# KiCad board rp2350-decoder.kicad_pcb
date: 2025-09-02; rev: v0.3.3
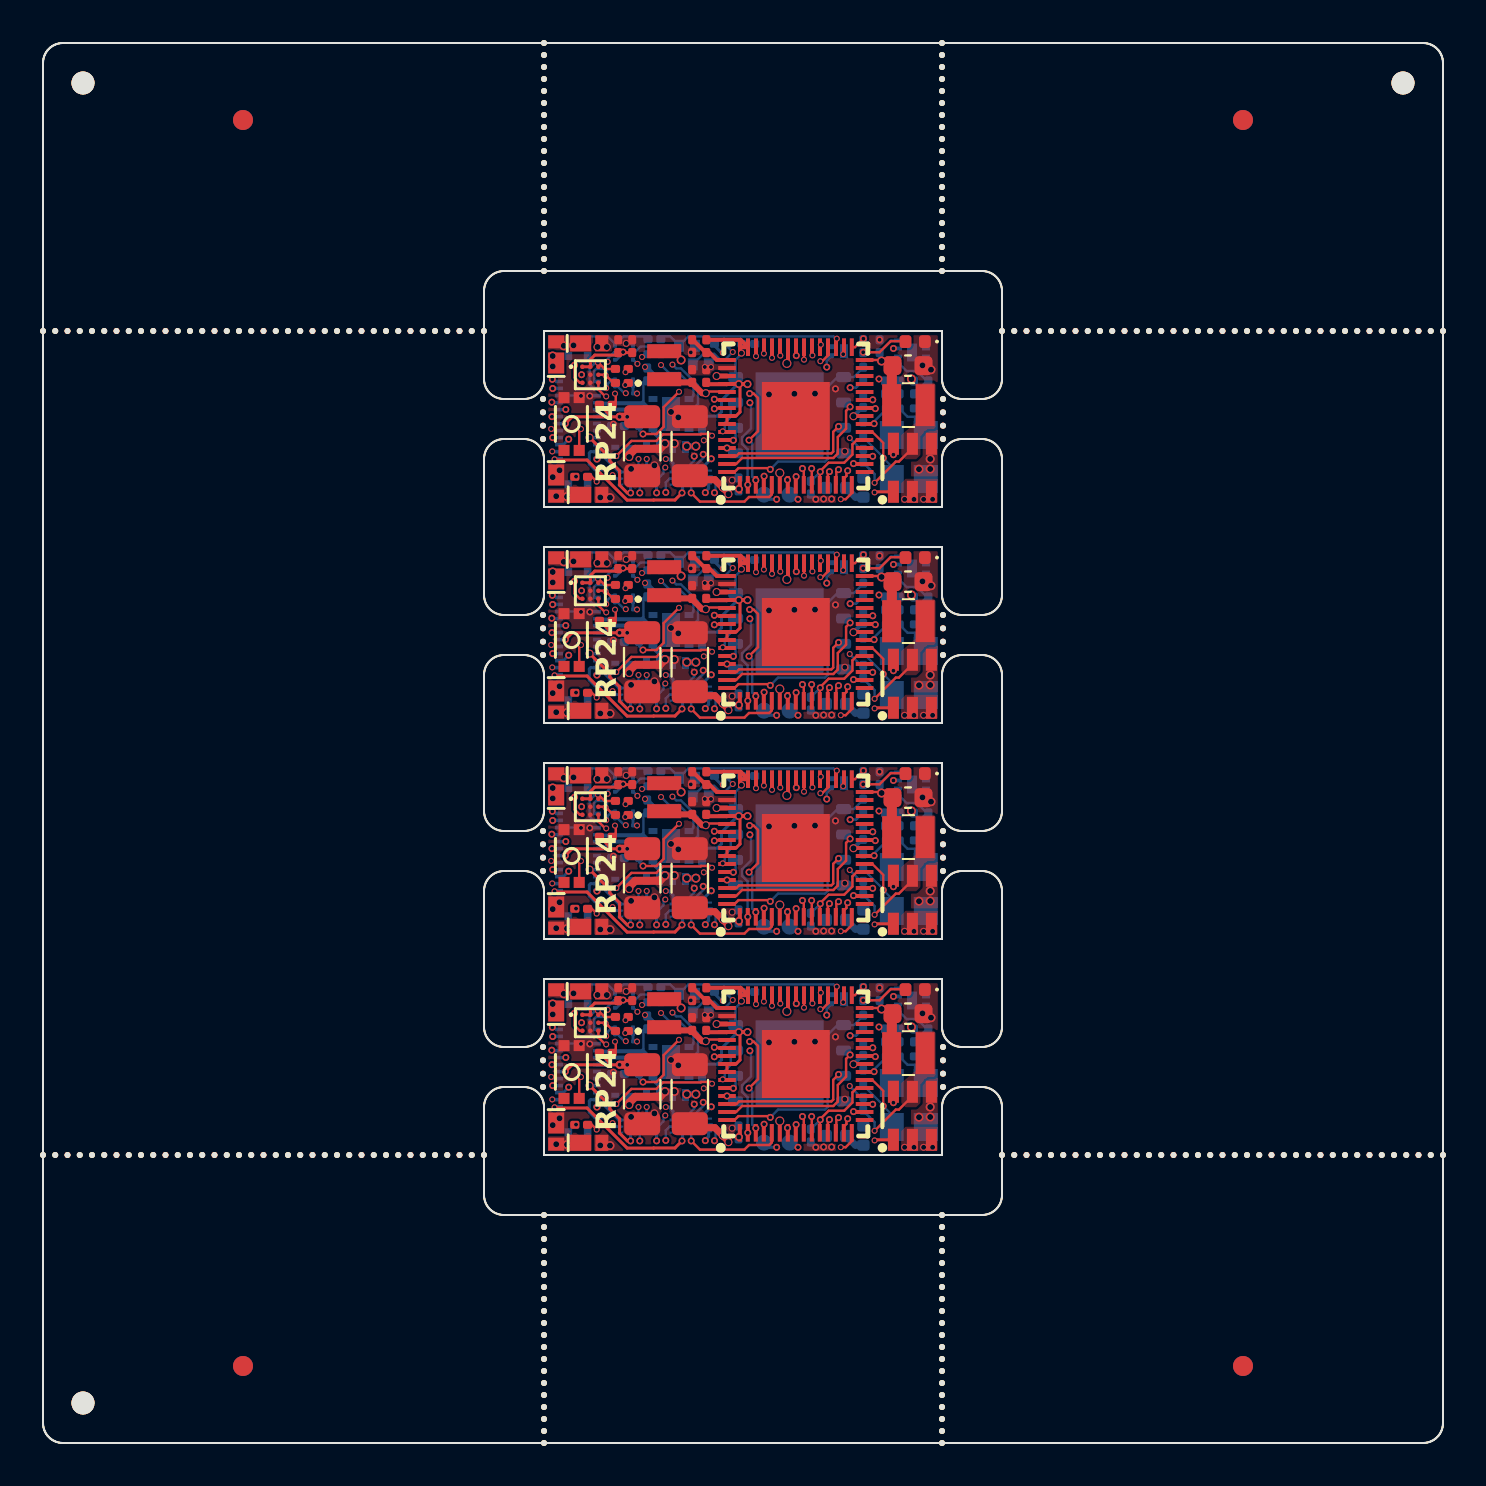
[diagram p0: board, top side]
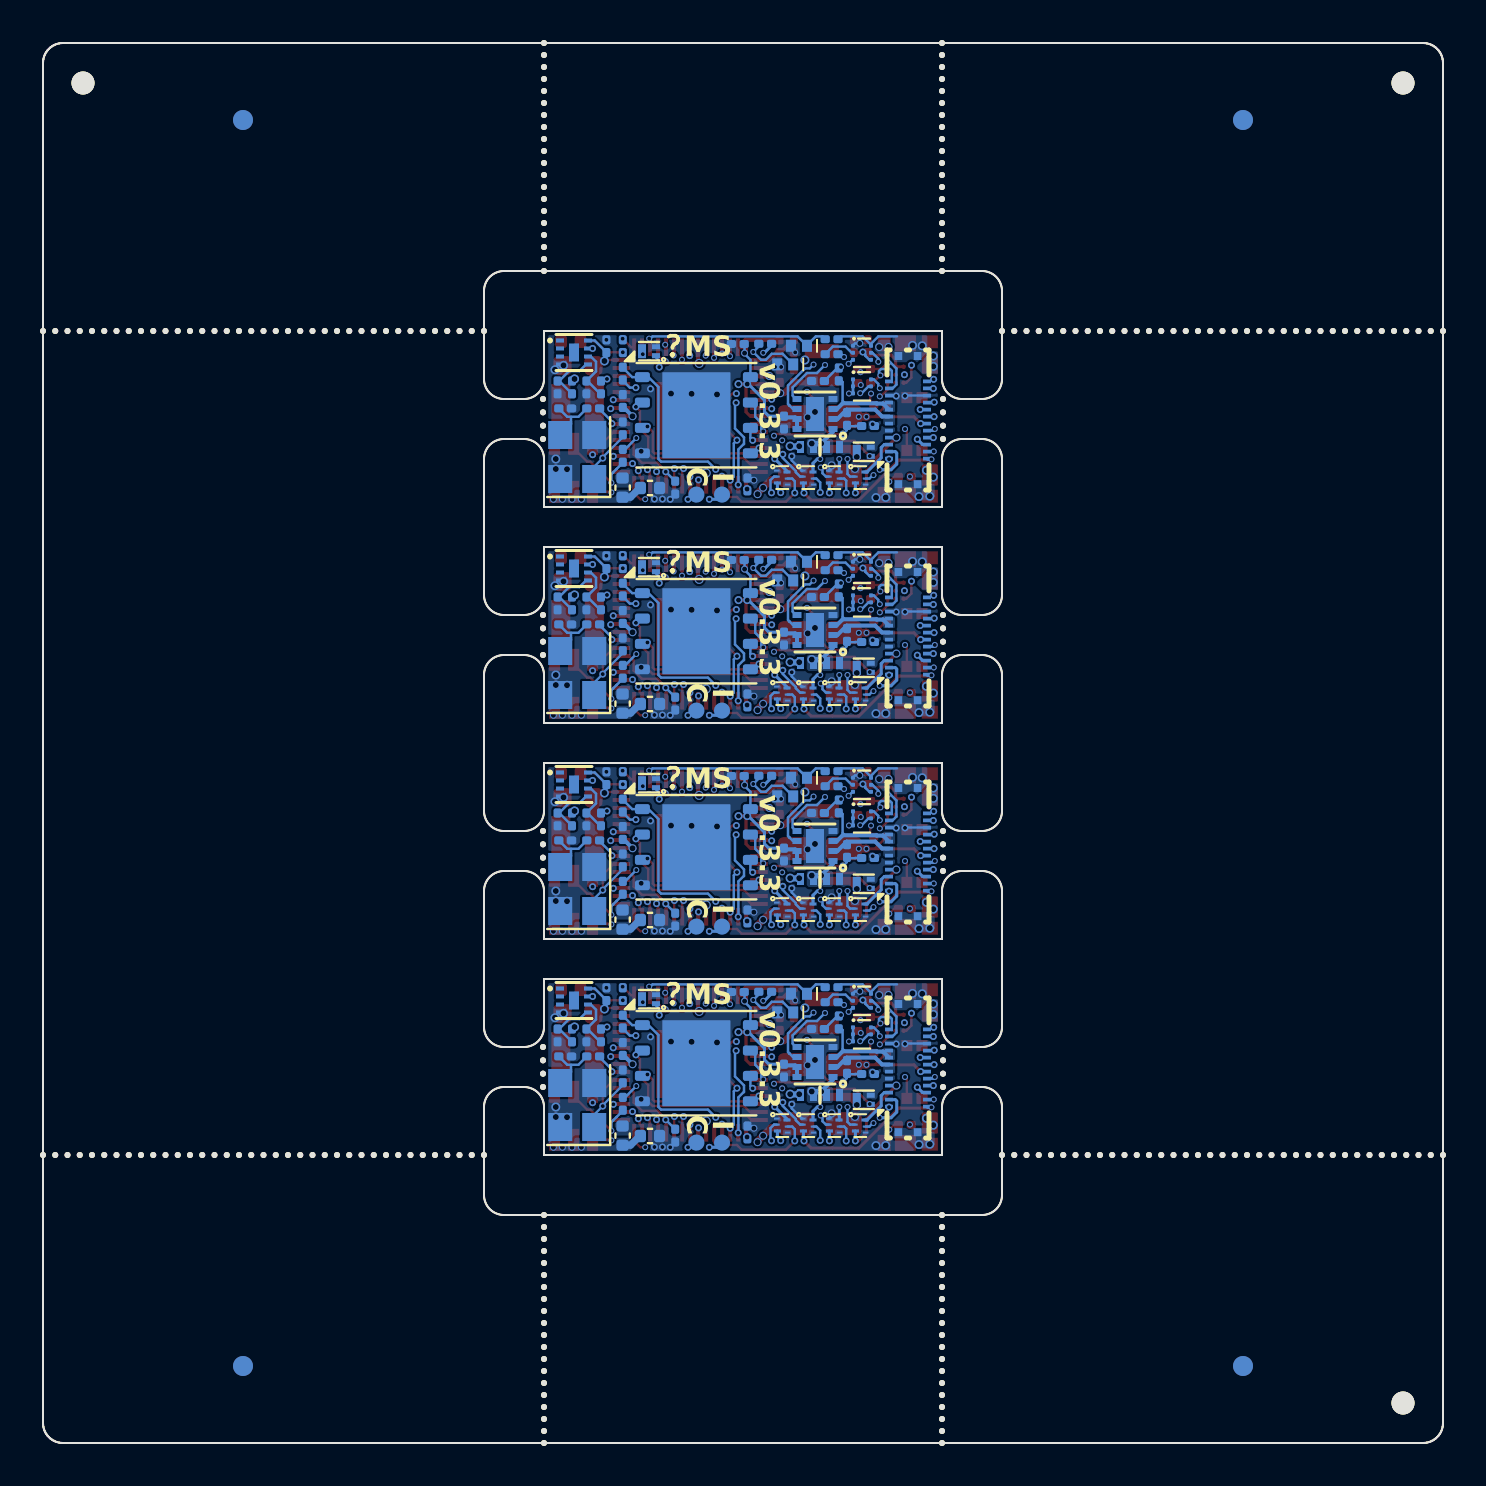
[diagram p1: board, bottom side, seen from below]

Outline 70 x 70 mm; copper layers: Top, In1.Cu, In2.Cu, In3.Cu, In4.Cu, Bottom. Coordinates in mm from the lower left corner of the outline.
Outline path: 25.05,46.8 25.05,46.81 25.05,49.2 25.05,49.25 25.05,49.3 25.04,49.35 25.03,49.4 25.02,49.44 25.01,49.49 24.99,49.54 24.97,49.58 24.95,49.63 24.93,49.67 24.91,49.71 24.88,49.76 24.85,49.8 24.82,49.83 24.79,49.87 24.76,49.91 24.72,49.94 24.68,49.97 24.65,50 24.61,50.03 24.56,50.06 24.52,50.08 24.48,50.1 24.43,50.12 24.39,50.14 24.34,50.16 24.29,50.17 24.25,50.18 24.2,50.19 24.15,50.2 24.1,50.2 24.05,50.2 23.05,50.2 23,50.2 22.95,50.2 22.9,50.19 22.85,50.18 22.81,50.17 22.76,50.16 22.71,50.14 22.67,50.12 22.62,50.1 22.58,50.08 22.54,50.06 22.49,50.03 22.45,50 22.42,49.97 22.38,49.94 22.34,49.91 22.31,49.87 22.28,49.83 22.25,49.8 22.22,49.76 22.19,49.71 22.17,49.67 22.15,49.63 22.13,49.58 22.11,49.54 22.09,49.49 22.08,49.44 22.07,49.4 22.06,49.35 22.05,49.3 22.05,49.25 22.05,49.2 22.05,42.4 22.05,42.35 22.05,42.3 22.06,42.25 22.07,42.2 22.08,42.16 22.09,42.11 22.11,42.06 22.13,42.02 22.15,41.97 22.17,41.93 22.19,41.89 22.22,41.84 22.25,41.8 22.28,41.77 22.31,41.73 22.34,41.69 22.38,41.66 22.42,41.63 22.45,41.6 22.49,41.57 22.54,41.54 22.58,41.52 22.62,41.5 22.67,41.48 22.71,41.46 22.76,41.44 22.81,41.43 22.85,41.42 22.9,41.41 22.95,41.4 23,41.4 23.05,41.4 24.05,41.4 24.1,41.4 24.15,41.4 24.2,41.41 24.25,41.42 24.29,41.43 24.34,41.44 24.39,41.46 24.43,41.48 24.48,41.5 24.52,41.52 24.56,41.54 24.61,41.57 24.65,41.6 24.68,41.63 24.72,41.66 24.76,41.69 24.79,41.73 24.82,41.77 24.85,41.8 24.88,41.84 24.91,41.89 24.93,41.93 24.95,41.97 24.97,42.02 24.99,42.06 25.01,42.11 25.02,42.16 25.03,42.2 25.04,42.25 25.05,42.3 25.05,42.35 25.05,42.4 25.05,44.79 25.05,44.8 ; 25.05,36 25.05,36.01 25.05,38.4 25.05,38.45 25.05,38.5 25.04,38.55 25.03,38.6 25.02,38.64 25.01,38.69 24.99,38.74 24.97,38.78 24.95,38.83 24.93,38.87 24.91,38.91 24.88,38.96 24.85,39 24.82,39.03 24.79,39.07 24.76,39.11 24.72,39.14 24.68,39.17 24.65,39.2 24.61,39.23 24.56,39.26 24.52,39.28 24.48,39.3 24.43,39.32 24.39,39.34 24.34,39.36 24.29,39.37 24.25,39.38 24.2,39.39 24.15,39.4 24.1,39.4 24.05,39.4 23.05,39.4 23,39.4 22.95,39.4 22.9,39.39 22.85,39.38 22.81,39.37 22.76,39.36 22.71,39.34 22.67,39.32 22.62,39.3 22.58,39.28 22.54,39.26 22.49,39.23 22.45,39.2 22.42,39.17 22.38,39.14 22.34,39.11 22.31,39.07 22.28,39.03 22.25,39 22.22,38.96 22.19,38.91 22.17,38.87 22.15,38.83 22.13,38.78 22.11,38.74 22.09,38.69 22.08,38.64 22.07,38.6 22.06,38.55 22.05,38.5 22.05,38.45 22.05,38.4 22.05,31.6 22.05,31.55 22.05,31.5 22.06,31.45 22.07,31.4 22.08,31.36 22.09,31.31 22.11,31.26 22.13,31.22 22.15,31.17 22.17,31.13 22.19,31.09 22.22,31.04 22.25,31 22.28,30.97 22.31,30.93 22.34,30.89 22.38,30.86 22.42,30.83 22.45,30.8 22.49,30.77 22.54,30.74 22.58,30.72 22.62,30.7 22.67,30.68 22.71,30.66 22.76,30.64 22.81,30.63 22.85,30.62 22.9,30.61 22.95,30.6 23,30.6 23.05,30.6 24.05,30.6 24.1,30.6 24.15,30.6 24.2,30.61 24.25,30.62 24.29,30.63 24.34,30.64 24.39,30.66 24.43,30.68 24.48,30.7 24.52,30.72 24.56,30.74 24.61,30.77 24.65,30.8 24.68,30.83 24.72,30.86 24.76,30.89 24.79,30.93 24.82,30.97 24.85,31 24.88,31.04 24.91,31.09 24.93,31.13 24.95,31.17 24.97,31.22 24.99,31.26 25.01,31.31 25.02,31.36 25.03,31.4 25.04,31.45 25.05,31.5 25.05,31.55 25.05,31.6 25.05,33.99 25.05,34 ; 25.05,25.2 25.05,25.21 25.05,27.6 25.05,27.65 25.05,27.7 25.04,27.75 25.03,27.8 25.02,27.84 25.01,27.89 24.99,27.94 24.97,27.98 24.95,28.03 24.93,28.07 24.91,28.11 24.88,28.16 24.85,28.2 24.82,28.23 24.79,28.27 24.76,28.31 24.72,28.34 24.68,28.37 24.65,28.4 24.61,28.43 24.56,28.46 24.52,28.48 24.48,28.5 24.43,28.52 24.39,28.54 24.34,28.56 24.29,28.57 24.25,28.58 24.2,28.59 24.15,28.6 24.1,28.6 24.05,28.6 23.05,28.6 23,28.6 22.95,28.6 22.9,28.59 22.85,28.58 22.81,28.57 22.76,28.56 22.71,28.54 22.67,28.52 22.62,28.5 22.58,28.48 22.54,28.46 22.49,28.43 22.45,28.4 22.42,28.37 22.38,28.34 22.34,28.31 22.31,28.27 22.28,28.23 22.25,28.2 22.22,28.16 22.19,28.11 22.17,28.07 22.15,28.03 22.13,27.98 22.11,27.94 22.09,27.89 22.08,27.84 22.07,27.8 22.06,27.75 22.05,27.7 22.05,27.65 22.05,27.6 22.05,20.8 22.05,20.75 22.05,20.7 22.06,20.65 22.07,20.6 22.08,20.56 22.09,20.51 22.11,20.46 22.13,20.42 22.15,20.37 22.17,20.33 22.19,20.29 22.22,20.24 22.25,20.2 22.28,20.17 22.31,20.13 22.34,20.09 22.38,20.06 22.42,20.03 22.45,20 22.49,19.97 22.54,19.94 22.58,19.92 22.62,19.9 22.67,19.88 22.71,19.86 22.76,19.84 22.81,19.83 22.85,19.82 22.9,19.81 22.95,19.8 23,19.8 23.05,19.8 24.05,19.8 24.1,19.8 24.15,19.8 24.2,19.81 24.25,19.82 24.29,19.83 24.34,19.84 24.39,19.86 24.43,19.88 24.48,19.9 24.52,19.92 24.56,19.94 24.61,19.97 24.65,20 24.68,20.03 24.72,20.06 24.76,20.09 24.79,20.13 24.82,20.17 24.85,20.2 24.88,20.24 24.91,20.29 24.93,20.33 24.95,20.37 24.97,20.42 24.99,20.46 25.01,20.51 25.02,20.56 25.03,20.6 25.04,20.65 25.05,20.7 25.05,20.75 25.05,20.8 25.05,23.19 25.05,23.2 ; 25.05,14.4 25.05,14.41 25.05,16.8 25.05,16.85 25.05,16.9 25.04,16.95 25.03,17 25.02,17.04 25.01,17.09 24.99,17.14 24.97,17.18 24.95,17.23 24.93,17.27 24.91,17.31 24.88,17.36 24.85,17.4 24.82,17.43 24.79,17.47 24.76,17.51 24.72,17.54 24.68,17.57 24.65,17.6 24.61,17.63 24.56,17.66 24.52,17.68 24.48,17.7 24.43,17.72 24.39,17.74 24.34,17.76 24.29,17.77 24.25,17.78 24.2,17.79 24.15,17.8 24.1,17.8 24.05,17.8 23.05,17.8 23,17.8 22.95,17.8 22.9,17.79 22.85,17.78 22.81,17.77 22.76,17.76 22.71,17.74 22.67,17.72 22.62,17.7 22.58,17.68 22.54,17.66 22.49,17.63 22.45,17.6 22.42,17.57 22.38,17.54 22.34,17.51 22.31,17.47 22.28,17.43 22.25,17.4 22.22,17.36 22.19,17.31 22.17,17.27 22.15,17.23 22.13,17.18 22.11,17.14 22.09,17.09 22.08,17.04 22.07,17 22.06,16.95 22.05,16.9 22.05,16.85 22.05,16.8 22.05,12.4 22.05,12.35 22.05,12.3 22.06,12.25 22.07,12.2 22.08,12.16 22.09,12.11 22.11,12.06 22.13,12.02 22.15,11.97 22.17,11.93 22.19,11.89 22.22,11.84 22.25,11.8 22.28,11.77 22.31,11.73 22.34,11.69 22.38,11.66 22.42,11.63 22.45,11.6 22.49,11.57 22.54,11.54 22.58,11.52 22.62,11.5 22.67,11.48 22.71,11.46 22.76,11.44 22.81,11.43 22.85,11.42 22.9,11.41 22.95,11.4 23,11.4 23.05,11.4 46.95,11.4 47,11.4 47.05,11.4 47.1,11.41 47.15,11.42 47.19,11.43 47.24,11.44 47.29,11.46 47.33,11.48 47.38,11.5 47.42,11.52 47.46,11.54 47.51,11.57 47.55,11.6 47.58,11.63 47.62,11.66 47.66,11.69 47.69,11.73 47.72,11.77 47.75,11.8 47.78,11.84 47.81,11.89 47.83,11.93 47.85,11.97 47.87,12.02 47.89,12.06 47.91,12.11 47.92,12.16 47.93,12.2 47.94,12.25 47.95,12.3 47.95,12.35 47.95,12.4 47.95,16.8 47.95,16.85 47.95,16.9 47.94,16.95 47.93,17 47.92,17.04 47.91,17.09 47.89,17.14 47.87,17.18 47.85,17.23 47.83,17.27 47.81,17.31 47.78,17.36 47.75,17.4 47.72,17.43 47.69,17.47 47.66,17.51 47.62,17.54 47.58,17.57 47.55,17.6 47.51,17.63 47.46,17.66 47.42,17.68 47.38,17.7 47.33,17.72 47.29,17.74 47.24,17.76 47.19,17.77 47.15,17.78 47.1,17.79 47.05,17.8 47,17.8 46.95,17.8 45.95,17.8 45.9,17.8 45.85,17.8 45.8,17.79 45.75,17.78 45.71,17.77 45.66,17.76 45.61,17.74 45.57,17.72 45.52,17.7 45.48,17.68 45.44,17.66 45.39,17.63 45.35,17.6 45.32,17.57 45.28,17.54 45.24,17.51 45.21,17.47 45.18,17.43 45.15,17.4 45.12,17.36 45.09,17.31 45.07,17.27 45.05,17.23 45.03,17.18 45.01,17.14 44.99,17.09 44.98,17.04 44.97,17 44.96,16.95 44.95,16.9 44.95,16.85 44.95,16.8 44.95,14.41 44.95,14.4 ; 25.05,55.6 25.05,55.59 25.05,53.2 25.05,53.15 25.05,53.1 25.04,53.05 25.03,53 25.02,52.96 25.01,52.91 24.99,52.86 24.97,52.82 24.95,52.77 24.93,52.73 24.91,52.69 24.88,52.64 24.85,52.6 24.82,52.57 24.79,52.53 24.76,52.49 24.72,52.46 24.68,52.43 24.65,52.4 24.61,52.37 24.56,52.34 24.52,52.32 24.48,52.3 24.43,52.28 24.39,52.26 24.34,52.24 24.29,52.23 24.25,52.22 24.2,52.21 24.15,52.2 24.1,52.2 24.05,52.2 23.05,52.2 23,52.2 22.95,52.2 22.9,52.21 22.85,52.22 22.81,52.23 22.76,52.24 22.71,52.26 22.67,52.28 22.62,52.3 22.58,52.32 22.54,52.34 22.49,52.37 22.45,52.4 22.42,52.43 22.38,52.46 22.34,52.49 22.31,52.53 22.28,52.57 22.25,52.6 22.22,52.64 22.19,52.69 22.17,52.73 22.15,52.77 22.13,52.82 22.11,52.86 22.09,52.91 22.08,52.96 22.07,53 22.06,53.05 22.05,53.1 22.05,53.15 22.05,53.2 22.05,57.6 22.05,57.65 22.05,57.7 22.06,57.75 22.07,57.8 22.08,57.84 22.09,57.89 22.11,57.94 22.13,57.98 22.15,58.03 22.17,58.07 22.19,58.11 22.22,58.16 22.25,58.2 22.28,58.23 22.31,58.27 22.34,58.31 22.38,58.34 22.42,58.37 22.45,58.4 22.49,58.43 22.54,58.46 22.58,58.48 22.62,58.5 22.67,58.52 22.71,58.54 22.76,58.56 22.81,58.57 22.85,58.58 22.9,58.59 22.95,58.6 23,58.6 23.05,58.6 46.95,58.6 47,58.6 47.05,58.6 47.1,58.59 47.15,58.58 47.19,58.57 47.24,58.56 47.29,58.54 47.33,58.52 47.38,58.5 47.42,58.48 47.46,58.46 47.51,58.43 47.55,58.4 47.58,58.37 47.62,58.34 47.66,58.31 47.69,58.27 47.72,58.23 47.75,58.2 47.78,58.16 47.81,58.11 47.83,58.07 47.85,58.03 47.87,57.98 47.89,57.94 47.91,57.89 47.92,57.84 47.93,57.8 47.94,57.75 47.95,57.7 47.95,57.65 47.95,57.6 47.95,53.2 47.95,53.15 47.95,53.1 47.94,53.05 47.93,53 47.92,52.96 47.91,52.91 47.89,52.86 47.87,52.82 47.85,52.77 47.83,52.73 47.81,52.69 47.78,52.64 47.75,52.6 47.72,52.57 47.69,52.53 47.66,52.49 47.62,52.46 47.58,52.43 47.55,52.4 47.51,52.37 47.46,52.34 47.42,52.32 47.38,52.3 47.33,52.28 47.29,52.26 47.24,52.24 47.19,52.23 47.15,52.22 47.1,52.21 47.05,52.2 47,52.2 46.95,52.2 45.95,52.2 45.9,52.2 45.85,52.2 45.8,52.21 45.75,52.22 45.71,52.23 45.66,52.24 45.61,52.26 45.57,52.28 45.52,52.3 45.48,52.32 45.44,52.34 45.39,52.37 45.35,52.4 45.32,52.43 45.28,52.46 45.24,52.49 45.21,52.53 45.18,52.57 45.15,52.6 45.12,52.64 45.09,52.69 45.07,52.73 45.05,52.77 45.03,52.82 45.01,52.86 44.99,52.91 44.98,52.96 44.97,53 44.96,53.05 44.95,53.1 44.95,53.15 44.95,53.2 44.95,55.59 44.95,55.6 ; 25.05,46.8 25.06,46.8 44.94,46.8 44.95,46.8 ; 25.05,36 25.06,36 44.94,36 44.95,36 ; 25.05,25.2 25.06,25.2 44.94,25.2 44.95,25.2 ; 25.05,14.4 25.06,14.4 44.94,14.4 44.95,14.4 ; 25.05,55.6 25.06,55.6 44.94,55.6 44.95,55.6 ; 25.05,44.8 25.06,44.8 44.94,44.8 44.95,44.8 ; 25.05,34 25.06,34 44.94,34 44.95,34 ; 25.05,23.2 25.06,23.2 44.94,23.2 44.95,23.2 ; 44.95,46.8 44.95,46.81 44.95,49.2 44.95,49.25 44.95,49.3 44.96,49.35 44.97,49.4 44.98,49.44 44.99,49.49 45.01,49.54 45.03,49.58 45.05,49.63 45.07,49.67 45.09,49.71 45.12,49.76 45.15,49.8 45.18,49.83 45.21,49.87 45.24,49.91 45.28,49.94 45.32,49.97 45.35,50 45.39,50.03 45.44,50.06 45.48,50.08 45.52,50.1 45.57,50.12 45.61,50.14 45.66,50.16 45.71,50.17 45.75,50.18 45.8,50.19 45.85,50.2 45.9,50.2 45.95,50.2 46.95,50.2 47,50.2 47.05,50.2 47.1,50.19 47.15,50.18 47.19,50.17 47.24,50.16 47.29,50.14 47.33,50.12 47.38,50.1 47.42,50.08 47.46,50.06 47.51,50.03 47.55,50 47.58,49.97 47.62,49.94 47.66,49.91 47.69,49.87 47.72,49.83 47.75,49.8 47.78,49.76 47.81,49.71 47.83,49.67 47.85,49.63 47.87,49.58 47.89,49.54 47.91,49.49 47.92,49.44 47.93,49.4 47.94,49.35 47.95,49.3 47.95,49.25 47.95,49.2 47.95,42.4 47.95,42.35 47.95,42.3 47.94,42.25 47.93,42.2 47.92,42.16 47.91,42.11 47.89,42.06 47.87,42.02 47.85,41.97 47.83,41.93 47.81,41.89 47.78,41.84 47.75,41.8 47.72,41.77 47.69,41.73 47.66,41.69 47.62,41.66 47.58,41.63 47.55,41.6 47.51,41.57 47.46,41.54 47.42,41.52 47.38,41.5 47.33,41.48 47.29,41.46 47.24,41.44 47.19,41.43 47.15,41.42 47.1,41.41 47.05,41.4 47,41.4 46.95,41.4 45.95,41.4 45.9,41.4 45.85,41.4 45.8,41.41 45.75,41.42 45.71,41.43 45.66,41.44 45.61,41.46 45.57,41.48 45.52,41.5 45.48,41.52 45.44,41.54 45.39,41.57 45.35,41.6 45.32,41.63 45.28,41.66 45.24,41.69 45.21,41.73 45.18,41.77 45.15,41.8 45.12,41.84 45.09,41.89 45.07,41.93 45.05,41.97 45.03,42.02 45.01,42.06 44.99,42.11 44.98,42.16 44.97,42.2 44.96,42.25 44.95,42.3 44.95,42.35 44.95,42.4 44.95,44.79 44.95,44.8 ; 44.95,36 44.95,36.01 44.95,38.4 44.95,38.45 44.95,38.5 44.96,38.55 44.97,38.6 44.98,38.64 44.99,38.69 45.01,38.74 45.03,38.78 45.05,38.83 45.07,38.87 45.09,38.91 45.12,38.96 45.15,39 45.18,39.03 45.21,39.07 45.24,39.11 45.28,39.14 45.32,39.17 45.35,39.2 45.39,39.23 45.44,39.26 45.48,39.28 45.52,39.3 45.57,39.32 45.61,39.34 45.66,39.36 45.71,39.37 45.75,39.38 45.8,39.39 45.85,39.4 45.9,39.4 45.95,39.4 46.95,39.4 47,39.4 47.05,39.4 47.1,39.39 47.15,39.38 47.19,39.37 47.24,39.36 47.29,39.34 47.33,39.32 47.38,39.3 47.42,39.28 47.46,39.26 47.51,39.23 47.55,39.2 47.58,39.17 47.62,39.14 47.66,39.11 47.69,39.07 47.72,39.03 47.75,39 47.78,38.96 47.81,38.91 47.83,38.87 47.85,38.83 47.87,38.78 47.89,38.74 47.91,38.69 47.92,38.64 47.93,38.6 47.94,38.55 47.95,38.5 47.95,38.45 47.95,38.4 47.95,31.6 47.95,31.55 47.95,31.5 47.94,31.45 47.93,31.4 47.92,31.36 47.91,31.31 47.89,31.26 47.87,31.22 47.85,31.17 47.83,31.13 47.81,31.09 47.78,31.04 47.75,31 47.72,30.97 47.69,30.93 47.66,30.89 47.62,30.86 47.58,30.83 47.55,30.8 47.51,30.77 47.46,30.74 47.42,30.72 47.38,30.7 47.33,30.68 47.29,30.66 47.24,30.64 47.19,30.63 47.15,30.62 47.1,30.61 47.05,30.6 47,30.6 46.95,30.6 45.95,30.6 45.9,30.6 45.85,30.6 45.8,30.61 45.75,30.62 45.71,30.63 45.66,30.64 45.61,30.66 45.57,30.68 45.52,30.7 45.48,30.72 45.44,30.74 45.39,30.77 45.35,30.8 45.32,30.83 45.28,30.86 45.24,30.89 45.21,30.93 45.18,30.97 45.15,31 45.12,31.04 45.09,31.09 45.07,31.13 45.05,31.17 45.03,31.22 45.01,31.26 44.99,31.31 44.98,31.36 44.97,31.4 44.96,31.45 44.95,31.5 44.95,31.55 44.95,31.6 44.95,33.99 44.95,34 ; 44.95,25.2 44.95,25.21 44.95,27.6 44.95,27.65 44.95,27.7 44.96,27.75 44.97,27.8 44.98,27.84 44.99,27.89 45.01,27.94 45.03,27.98 45.05,28.03 45.07,28.07 45.09,28.11 45.12,28.16 45.15,28.2 45.18,28.23 45.21,28.27 45.24,28.31 45.28,28.34 45.32,28.37 45.35,28.4 45.39,28.43 45.44,28.46 45.48,28.48 45.52,28.5 45.57,28.52 45.61,28.54 45.66,28.56 45.71,28.57 45.75,28.58 45.8,28.59 45.85,28.6 45.9,28.6 45.95,28.6 46.95,28.6 47,28.6 47.05,28.6 47.1,28.59 47.15,28.58 47.19,28.57 47.24,28.56 47.29,28.54 47.33,28.52 47.38,28.5 47.42,28.48 47.46,28.46 47.51,28.43 47.55,28.4 47.58,28.37 47.62,28.34 47.66,28.31 47.69,28.27 47.72,28.23 47.75,28.2 47.78,28.16 47.81,28.11 47.83,28.07 47.85,28.03 47.87,27.98 47.89,27.94 47.91,27.89 47.92,27.84 47.93,27.8 47.94,27.75 47.95,27.7 47.95,27.65 47.95,27.6 47.95,20.8 47.95,20.75 47.95,20.7 47.94,20.65 47.93,20.6 47.92,20.56 47.91,20.51 47.89,20.46 47.87,20.42 47.85,20.37 47.83,20.33 47.81,20.29 47.78,20.24 47.75,20.2 47.72,20.17 47.69,20.13 47.66,20.09 47.62,20.06 47.58,20.03 47.55,20 47.51,19.97 47.46,19.94 47.42,19.92 47.38,19.9 47.33,19.88 47.29,19.86 47.24,19.84 47.19,19.83 47.15,19.82 47.1,19.81 47.05,19.8 47,19.8 46.95,19.8 45.95,19.8 45.9,19.8 45.85,19.8 45.8,19.81 45.75,19.82 45.71,19.83 45.66,19.84 45.61,19.86 45.57,19.88 45.52,19.9 45.48,19.92 45.44,19.94 45.39,19.97 45.35,20 45.32,20.03 45.28,20.06 45.24,20.09 45.21,20.13 45.18,20.17 45.15,20.2 45.12,20.24 45.09,20.29 45.07,20.33 45.05,20.37 45.03,20.42 45.01,20.46 44.99,20.51 44.98,20.56 44.97,20.6 44.96,20.65 44.95,20.7 44.95,20.75 44.95,20.8 44.95,23.19 44.95,23.2 ; 0,68.99 0,1.01 0,0.99 0,0.91 0.01,0.89 0.02,0.82 0.02,0.79 0.04,0.72 0.05,0.7 0.07,0.63 0.08,0.61 0.11,0.54 0.12,0.52 0.16,0.45 0.18,0.43 0.22,0.38 0.24,0.36 0.28,0.3 0.3,0.28 0.36,0.24 0.38,0.22 0.43,0.18 0.45,0.16 0.52,0.12 0.54,0.11 0.61,0.08 0.63,0.07 0.7,0.05 0.72,0.04 0.79,0.02 0.82,0.02 0.89,0.01 0.91,0 0.99,0 1.01,0 68.99,0 69.01,0 69.09,0 69.11,0.01 69.18,0.02 69.21,0.02 69.28,0.04 69.3,0.05 69.37,0.07 69.39,0.08 69.46,0.11 69.48,0.12 69.55,0.16 69.57,0.18 69.62,0.22 69.64,0.24 69.7,0.28 69.72,0.3 69.76,0.36 69.78,0.38 69.82,0.43 69.84,0.45 69.88,0.52 69.89,0.54 69.92,0.61 69.93,0.63 69.95,0.7 69.96,0.72 69.98,0.79 69.98,0.82 69.99,0.89 70,0.91 70,0.99 70,1.01 70,68.99 70,69.01 70,69.09 69.99,69.11 69.98,69.18 69.98,69.21 69.96,69.28 69.95,69.3 69.93,69.37 69.92,69.39 69.89,69.46 69.88,69.48 69.84,69.55 69.82,69.57 69.78,69.62 69.76,69.64 69.72,69.7 69.7,69.72 69.64,69.76 69.62,69.78 69.57,69.82 69.55,69.84 69.48,69.88 69.46,69.89 69.39,69.92 69.37,69.93 69.3,69.95 69.28,69.96 69.21,69.98 69.18,69.98 69.11,69.99 69.09,70 69.01,70 68.99,70 1.01,70 0.99,70 0.91,70 0.89,69.99 0.82,69.98 0.79,69.98 0.72,69.96 0.7,69.95 0.63,69.93 0.61,69.92 0.54,69.89 0.52,69.88 0.45,69.84 0.43,69.82 0.38,69.78 0.36,69.76 0.3,69.72 0.28,69.7 0.24,69.64 0.22,69.62 0.18,69.57 0.16,69.55 0.12,69.48 0.11,69.46 0.08,69.39 0.07,69.37 0.05,69.3 0.04,69.28 0.02,69.21 0.02,69.18 0.01,69.11 0,69.09 0,69.01 0,68.99
Stack: Top 0.035mm / dielectric 0.1164mm JLC FR4 1x2116 er 4.16 / In1.Cu 0.0152mm / dielectric 0.13mm JLC Core er 4.6 / In2.Cu 0.0152mm / dielectric 0.2028mm JLC FR4 1x7628 er 4.4 / In3.Cu 0.0152mm / dielectric 0.13mm JLC Core er 4.6 / In4.Cu 0.0152mm / dielectric 0.1164mm JLC FR4 1x2116 er 4.16 / Bottom 0.035mm

## Placement (name value [footprint] x y rotation side)
C1  100nF  [C_0201_0603Metric]  41.83 54.84 270 bottom
C1#2  100nF  [C_0201_0603Metric]  41.83 22.44 270 bottom
C1#3  100nF  [C_0201_0603Metric]  41.83 44.04 270 bottom
C1#4  100nF  [C_0201_0603Metric]  41.83 33.24 270 bottom
C2  2.2uF  [C_0402_1005Metric]  41.02 36.97 90 bottom
C2#2  2.2uF  [C_0402_1005Metric]  41.02 15.37 90 bottom
C2#3  2.2uF  [C_0402_1005Metric]  41.02 47.77 90 bottom
C2#4  2.2uF  [C_0402_1005Metric]  41.02 26.17 90 bottom
C3  2.2uF  [C_0402_1005Metric]  39.65 15.35 180 bottom
C3#2  2.2uF  [C_0402_1005Metric]  39.65 47.75 180 bottom
C3#3  2.2uF  [C_0402_1005Metric]  39.65 26.15 180 bottom
C3#4  2.2uF  [C_0402_1005Metric]  39.65 36.95 180 bottom
C4  100nF  [C_0201_0603Metric]  41.01 16.96 270 bottom
C4#2  100nF  [C_0201_0603Metric]  41.01 38.56 270 bottom
C4#3  100nF  [C_0201_0603Metric]  41.01 49.36 270 bottom
C4#4  100nF  [C_0201_0603Metric]  41.01 27.76 270 bottom
C5  22uF  [C_0603_1608Metric]  43.25 32.27 0 top
C5#2  22uF  [C_0603_1608Metric]  43.25 53.87 0 top
C5#3  22uF  [C_0603_1608Metric]  43.25 21.47 0 top
C5#4  22uF  [C_0603_1608Metric]  43.25 43.07 0 top
C6  100uF  [C_1206_3216Metric]  29.96 49.84 270 top
C6#2  100uF  [C_1206_3216Metric]  29.96 39.04 270 top
C6#3  100uF  [C_1206_3216Metric]  29.96 17.44 270 top
C6#4  100uF  [C_1206_3216Metric]  29.96 28.24 270 top
C7  100nF  [C_0201_0603Metric]  35.26 22.55 0 bottom
C7#2  100nF  [C_0201_0603Metric]  35.26 44.15 0 bottom
C7#3  100nF  [C_0201_0603Metric]  35.26 54.95 0 bottom
C7#4  100nF  [C_0201_0603Metric]  35.26 33.35 0 bottom
C8  10pF  [C_0201_0603Metric]  43.89 51.73 180 bottom
C8#2  10pF  [C_0201_0603Metric]  43.89 19.33 180 bottom
C8#3  10pF  [C_0201_0603Metric]  43.89 40.93 180 bottom
C8#4  10pF  [C_0201_0603Metric]  43.89 30.13 180 bottom
C9  4.7uF  [C_0201_0603Metric]  32.46 31.75 90 top
C9#2  4.7uF  [C_0201_0603Metric]  32.46 53.35 90 top
C9#3  4.7uF  [C_0201_0603Metric]  32.46 20.95 90 top
C9#4  4.7uF  [C_0201_0603Metric]  32.46 42.55 90 top
C10  4.7uF  [C_0201_0603Metric]  33.16 20.95 270 top
C10#2  4.7uF  [C_0201_0603Metric]  33.16 53.35 270 top
C10#3  4.7uF  [C_0201_0603Metric]  33.16 31.75 270 top
C10#4  4.7uF  [C_0201_0603Metric]  33.16 42.55 270 top
C11  10pF  [C_0201_0603Metric]  41.01 29.13 90 bottom
C11#2  10pF  [C_0201_0603Metric]  41.01 39.93 90 bottom
C11#3  10pF  [C_0201_0603Metric]  41.01 50.73 90 bottom
C11#4  10pF  [C_0201_0603Metric]  41.01 18.33 90 bottom
C12  100nF  [C_0201_0603Metric]  41.01 19.7 90 bottom
C12#2  100nF  [C_0201_0603Metric]  41.01 41.3 90 bottom
C12#3  100nF  [C_0201_0603Metric]  41.01 52.1 90 bottom
C12#4  100nF  [C_0201_0603Metric]  41.01 30.5 90 bottom
C13  100nF  [C_0201_0603Metric]  34.78 15.53 90 bottom
C13#2  100nF  [C_0201_0603Metric]  34.78 37.13 90 bottom
C13#3  100nF  [C_0201_0603Metric]  34.78 26.33 90 bottom
C13#4  100nF  [C_0201_0603Metric]  34.78 47.93 90 bottom
C14  100nF  [C_0201_0603Metric]  38.39 26.17 270 bottom
C14#2  100nF  [C_0201_0603Metric]  38.39 15.37 270 bottom
C14#3  100nF  [C_0201_0603Metric]  38.39 36.97 270 bottom
C14#4  100nF  [C_0201_0603Metric]  38.39 47.77 270 bottom
C15  4.7uF  [C_0201_0603Metric]  32.46 54.84 270 top
C15#2  4.7uF  [C_0201_0603Metric]  32.46 22.44 270 top
C15#3  4.7uF  [C_0201_0603Metric]  32.46 44.04 270 top
C15#4  4.7uF  [C_0201_0603Metric]  32.46 33.24 270 top
C16  47uF  [C_1206_3216Metric]  32.34 49.84 90 top
C16#2  47uF  [C_1206_3216Metric]  32.34 17.44 90 top
C16#3  47uF  [C_1206_3216Metric]  32.34 28.24 90 top
C16#4  47uF  [C_1206_3216Metric]  32.34 39.04 90 top
C17  4.7uF  [C_0201_0603Metric]  28.76 44.04 90 top
C17#2  4.7uF  [C_0201_0603Metric]  28.76 22.44 90 top
C17#3  4.7uF  [C_0201_0603Metric]  28.76 33.24 90 top
C17#4  4.7uF  [C_0201_0603Metric]  28.76 54.84 90 top
C18  4.7uF  [C_0201_0603Metric]  29.46 22.44 90 top
C18#2  4.7uF  [C_0201_0603Metric]  29.46 33.24 90 top
C18#3  4.7uF  [C_0201_0603Metric]  29.46 44.04 90 top
C18#4  4.7uF  [C_0201_0603Metric]  29.46 54.84 90 top
C19  100nF  [C_0201_0603Metric]  32.95 51.02 270 bottom
C19#2  100nF  [C_0201_0603Metric]  32.95 40.22 270 bottom
C19#3  100nF  [C_0201_0603Metric]  32.95 29.42 270 bottom
C19#4  100nF  [C_0201_0603Metric]  32.95 18.62 270 bottom
D1  LMBR4020H3T5G  [U-DFN1608-2_L1.6-W0.8-RD]  27.31 33.38 0 top
D1#2  LMBR4020H3T5G  [U-DFN1608-2_L1.6-W0.8-RD]  27.31 54.98 0 top
D1#3  LMBR4020H3T5G  [U-DFN1608-2_L1.6-W0.8-RD]  27.31 22.58 0 top
D1#4  LMBR4020H3T5G  [U-DFN1608-2_L1.6-W0.8-RD]  27.31 44.18 0 top
D2  LMBR4020H3T5G  [U-DFN1608-2_L1.6-W0.8-RD]  27.31 47.41 0 top
D2#2  LMBR4020H3T5G  [U-DFN1608-2_L1.6-W0.8-RD]  27.31 36.61 0 top
D2#3  LMBR4020H3T5G  [U-DFN1608-2_L1.6-W0.8-RD]  27.31 15.01 0 top
D2#4  LMBR4020H3T5G  [U-DFN1608-2_L1.6-W0.8-RD]  27.31 25.81 0 top
D3  LMBR4020H3T5G  [U-DFN1608-2_L1.6-W0.8-RD]  25.66 54.43 90 top
D3#2  LMBR4020H3T5G  [U-DFN1608-2_L1.6-W0.8-RD]  25.66 32.83 90 top
D3#3  LMBR4020H3T5G  [U-DFN1608-2_L1.6-W0.8-RD]  25.66 43.63 90 top
D3#4  LMBR4020H3T5G  [U-DFN1608-2_L1.6-W0.8-RD]  25.66 22.03 90 top
D4  LMBR4020H3T5G  [U-DFN1608-2_L1.6-W0.8-RD]  25.66 15.57 270 top
D4#2  LMBR4020H3T5G  [U-DFN1608-2_L1.6-W0.8-RD]  25.66 47.97 270 top
D4#3  LMBR4020H3T5G  [U-DFN1608-2_L1.6-W0.8-RD]  25.66 26.37 270 top
D4#4  LMBR4020H3T5G  [U-DFN1608-2_L1.6-W0.8-RD]  25.66 37.17 270 top
D5  RB161QS-40  [DIO-SMD_L1.0-W0.6-P0.65-RD]  31.8 28.2 0 bottom
D5#2  RB161QS-40  [DIO-SMD_L1.0-W0.6-P0.65-RD]  31.8 39 0 bottom
D5#3  RB161QS-40  [DIO-SMD_L1.0-W0.6-P0.65-RD]  31.8 17.4 0 bottom
D5#4  RB161QS-40  [DIO-SMD_L1.0-W0.6-P0.65-RD]  31.8 49.8 0 bottom
D6  RB161QS-40  [DIO-SMD_L1.0-W0.6-P0.65-RD]  30.5 49.8 180 bottom
D6#2  RB161QS-40  [DIO-SMD_L1.0-W0.6-P0.65-RD]  30.5 17.4 180 bottom
D6#3  RB161QS-40  [DIO-SMD_L1.0-W0.6-P0.65-RD]  30.5 39 180 bottom
D6#4  RB161QS-40  [DIO-SMD_L1.0-W0.6-P0.65-RD]  30.5 28.2 180 bottom
D7  BZX884C3V3  [DFN1006-2L-RD]  32.2 54.86 0 bottom
D7#2  BZX884C3V3  [DFN1006-2L-RD]  32.2 44.06 0 bottom
D7#3  BZX884C3V3  [DFN1006-2L-RD]  32.2 22.46 0 bottom
D7#4  BZX884C3V3  [DFN1006-2L-RD]  32.2 33.26 0 bottom
D8  BZX884C3V3  [DFN1006-2L-RD]  32.89 43.13 0 bottom
D8#2  BZX884C3V3  [DFN1006-2L-RD]  32.89 53.93 0 bottom
D8#3  BZX884C3V3  [DFN1006-2L-RD]  32.89 21.53 0 bottom
D8#4  BZX884C3V3  [DFN1006-2L-RD]  32.89 32.33 0 bottom
D9  Blue LED  [LED_0402_1005Metric]  43.61 55.07 180 top
D9#2  Blue LED  [LED_0402_1005Metric]  43.61 44.27 180 top
D9#3  Blue LED  [LED_0402_1005Metric]  43.61 22.67 180 top
D9#4  Blue LED  [LED_0402_1005Metric]  43.61 33.47 180 top
J1  SWDIO  [Pogo Pad 0.8mm]  36.05 36.62 180 bottom
J1#2  SWDIO  [Pogo Pad 0.8mm]  36.05 15.02 180 bottom
J1#3  SWDIO  [Pogo Pad 0.8mm]  36.05 25.82 180 bottom
J1#4  SWDIO  [Pogo Pad 0.8mm]  36.05 47.42 180 bottom
J2  SWCLK  [Pogo Pad 0.8mm]  37.33 47.42 180 bottom
J2#2  SWCLK  [Pogo Pad 0.8mm]  37.33 36.62 180 bottom
J2#3  SWCLK  [Pogo Pad 0.8mm]  37.33 15.02 180 bottom
J2#4  SWCLK  [Pogo Pad 0.8mm]  37.33 25.82 180 bottom
J3  5052702412  [CONN-SMD_5052702412]  26.75 40.35 270 bottom
J3#2  5052702412  [CONN-SMD_5052702412]  26.75 18.75 270 bottom
J3#3  5052702412  [CONN-SMD_5052702412]  26.75 29.55 270 bottom
J3#4  5052702412  [CONN-SMD_5052702412]  26.75 51.15 270 bottom
KiKit_FID_B_1  -  [Fiducial]  10 66.15 180 bottom
KiKit_FID_B_2  -  [Fiducial]  60 66.15 180 bottom
KiKit_FID_B_3  -  [Fiducial]  10 3.85 180 bottom
KiKit_FID_B_4  -  [Fiducial]  60 3.85 180 bottom
KiKit_FID_T_1  -  [Fiducial]  10 66.15 0 top
KiKit_FID_T_2  -  [Fiducial]  60 66.15 0 top
KiKit_FID_T_3  -  [Fiducial]  10 3.85 0 top
KiKit_FID_T_4  -  [Fiducial]  60 3.85 0 top
KiKit_MB_1_1  -  [NPTH]  25 50.2 0 top
KiKit_MB_1_2  -  [NPTH]  25 50.87 0 top
KiKit_MB_1_3  -  [NPTH]  25 51.53 0 top
KiKit_MB_1_4  -  [NPTH]  25 52.2 0 top
KiKit_MB_2_1  -  [NPTH]  45 52.2 0 top
KiKit_MB_2_2  -  [NPTH]  45 51.53 0 top
KiKit_MB_2_3  -  [NPTH]  45 50.87 0 top
KiKit_MB_2_4  -  [NPTH]  45 50.2 0 top
KiKit_MB_3_1  -  [NPTH]  25 39.4 0 top
KiKit_MB_3_2  -  [NPTH]  25 40.07 0 top
KiKit_MB_3_3  -  [NPTH]  25 40.73 0 top
KiKit_MB_3_4  -  [NPTH]  25 41.4 0 top
KiKit_MB_4_1  -  [NPTH]  45 41.4 0 top
KiKit_MB_4_2  -  [NPTH]  45 40.73 0 top
KiKit_MB_4_3  -  [NPTH]  45 40.07 0 top
KiKit_MB_4_4  -  [NPTH]  45 39.4 0 top
KiKit_MB_5_1  -  [NPTH]  25 28.6 0 top
KiKit_MB_5_2  -  [NPTH]  25 29.27 0 top
KiKit_MB_5_3  -  [NPTH]  25 29.93 0 top
KiKit_MB_5_4  -  [NPTH]  25 30.6 0 top
KiKit_MB_6_1  -  [NPTH]  45 30.6 0 top
KiKit_MB_6_2  -  [NPTH]  45 29.93 0 top
KiKit_MB_6_3  -  [NPTH]  45 29.27 0 top
KiKit_MB_6_4  -  [NPTH]  45 28.6 0 top
KiKit_MB_7_1  -  [NPTH]  25 17.8 0 top
KiKit_MB_7_2  -  [NPTH]  25 18.47 0 top
KiKit_MB_7_3  -  [NPTH]  25 19.13 0 top
KiKit_MB_7_4  -  [NPTH]  25 19.8 0 top
KiKit_MB_8_1  -  [NPTH]  45 19.8 0 top
KiKit_MB_8_2  -  [NPTH]  45 19.13 0 top
KiKit_MB_8_3  -  [NPTH]  45 18.47 0 top
KiKit_MB_8_4  -  [NPTH]  45 17.8 0 top
KiKit_MB_9_1  -  [NPTH]  25.05 70 0 top
KiKit_MB_9_2  -  [NPTH]  25.05 69.4 0 top
KiKit_MB_9_3  -  [NPTH]  25.05 68.8 0 top
KiKit_MB_9_4  -  [NPTH]  25.05 68.2 0 top
KiKit_MB_9_5  -  [NPTH]  25.05 67.6 0 top
KiKit_MB_9_6  -  [NPTH]  25.05 67 0 top
KiKit_MB_9_7  -  [NPTH]  25.05 66.4 0 top
KiKit_MB_9_8  -  [NPTH]  25.05 65.8 0 top
KiKit_MB_9_9  -  [NPTH]  25.05 65.2 0 top
KiKit_MB_9_10  -  [NPTH]  25.05 64.6 0 top
KiKit_MB_9_11  -  [NPTH]  25.05 64 0 top
KiKit_MB_9_12  -  [NPTH]  25.05 63.4 0 top
KiKit_MB_9_13  -  [NPTH]  25.05 62.8 0 top
KiKit_MB_9_14  -  [NPTH]  25.05 62.2 0 top
KiKit_MB_9_15  -  [NPTH]  25.05 61.6 0 top
KiKit_MB_9_16  -  [NPTH]  25.05 61 0 top
KiKit_MB_9_17  -  [NPTH]  25.05 60.4 0 top
KiKit_MB_9_18  -  [NPTH]  25.05 59.8 0 top
KiKit_MB_9_19  -  [NPTH]  25.05 59.2 0 top
KiKit_MB_9_20  -  [NPTH]  25.05 58.6 0 top
KiKit_MB_10_1  -  [NPTH]  44.95 70 0 top
KiKit_MB_10_2  -  [NPTH]  44.95 69.4 0 top
KiKit_MB_10_3  -  [NPTH]  44.95 68.8 0 top
KiKit_MB_10_4  -  [NPTH]  44.95 68.2 0 top
KiKit_MB_10_5  -  [NPTH]  44.95 67.6 0 top
KiKit_MB_10_6  -  [NPTH]  44.95 67 0 top
KiKit_MB_10_7  -  [NPTH]  44.95 66.4 0 top
KiKit_MB_10_8  -  [NPTH]  44.95 65.8 0 top
KiKit_MB_10_9  -  [NPTH]  44.95 65.2 0 top
KiKit_MB_10_10  -  [NPTH]  44.95 64.6 0 top
KiKit_MB_10_11  -  [NPTH]  44.95 64 0 top
KiKit_MB_10_12  -  [NPTH]  44.95 63.4 0 top
KiKit_MB_10_13  -  [NPTH]  44.95 62.8 0 top
KiKit_MB_10_14  -  [NPTH]  44.95 62.2 0 top
KiKit_MB_10_15  -  [NPTH]  44.95 61.6 0 top
KiKit_MB_10_16  -  [NPTH]  44.95 61 0 top
KiKit_MB_10_17  -  [NPTH]  44.95 60.4 0 top
KiKit_MB_10_18  -  [NPTH]  44.95 59.8 0 top
KiKit_MB_10_19  -  [NPTH]  44.95 59.2 0 top
KiKit_MB_10_20  -  [NPTH]  44.95 58.6 0 top
KiKit_MB_11_1  -  [NPTH]  25.05 11.4 0 top
KiKit_MB_11_2  -  [NPTH]  25.05 10.8 0 top
KiKit_MB_11_3  -  [NPTH]  25.05 10.2 0 top
KiKit_MB_11_4  -  [NPTH]  25.05 9.6 0 top
KiKit_MB_11_5  -  [NPTH]  25.05 9 0 top
KiKit_MB_11_6  -  [NPTH]  25.05 8.4 0 top
KiKit_MB_11_7  -  [NPTH]  25.05 7.8 0 top
KiKit_MB_11_8  -  [NPTH]  25.05 7.2 0 top
KiKit_MB_11_9  -  [NPTH]  25.05 6.6 0 top
KiKit_MB_11_10  -  [NPTH]  25.05 6 0 top
KiKit_MB_11_11  -  [NPTH]  25.05 5.4 0 top
KiKit_MB_11_12  -  [NPTH]  25.05 4.8 0 top
KiKit_MB_11_13  -  [NPTH]  25.05 4.2 0 top
KiKit_MB_11_14  -  [NPTH]  25.05 3.6 0 top
KiKit_MB_11_15  -  [NPTH]  25.05 3 0 top
KiKit_MB_11_16  -  [NPTH]  25.05 2.4 0 top
KiKit_MB_11_17  -  [NPTH]  25.05 1.8 0 top
KiKit_MB_11_18  -  [NPTH]  25.05 1.2 0 top
KiKit_MB_11_19  -  [NPTH]  25.05 0.6 0 top
KiKit_MB_11_20  -  [NPTH]  25.05 0 0 top
KiKit_MB_12_1  -  [NPTH]  44.95 11.4 0 top
KiKit_MB_12_2  -  [NPTH]  44.95 10.8 0 top
KiKit_MB_12_3  -  [NPTH]  44.95 10.2 0 top
KiKit_MB_12_4  -  [NPTH]  44.95 9.6 0 top
KiKit_MB_12_5  -  [NPTH]  44.95 9 0 top
KiKit_MB_12_6  -  [NPTH]  44.95 8.4 0 top
KiKit_MB_12_7  -  [NPTH]  44.95 7.8 0 top
KiKit_MB_12_8  -  [NPTH]  44.95 7.2 0 top
KiKit_MB_12_9  -  [NPTH]  44.95 6.6 0 top
KiKit_MB_12_10  -  [NPTH]  44.95 6 0 top
KiKit_MB_12_11  -  [NPTH]  44.95 5.4 0 top
KiKit_MB_12_12  -  [NPTH]  44.95 4.8 0 top
KiKit_MB_12_13  -  [NPTH]  44.95 4.2 0 top
KiKit_MB_12_14  -  [NPTH]  44.95 3.6 0 top
KiKit_MB_12_15  -  [NPTH]  44.95 3 0 top
KiKit_MB_12_16  -  [NPTH]  44.95 2.4 0 top
KiKit_MB_12_17  -  [NPTH]  44.95 1.8 0 top
KiKit_MB_12_18  -  [NPTH]  44.95 1.2 0 top
KiKit_MB_12_19  -  [NPTH]  44.95 0.6 0 top
KiKit_MB_12_20  -  [NPTH]  44.95 0 0 top
KiKit_MB_13_1  -  [NPTH]  0 55.6 0 top
KiKit_MB_13_2  -  [NPTH]  0.61 55.6 0 top
KiKit_MB_13_3  -  [NPTH]  1.22 55.6 0 top
KiKit_MB_13_4  -  [NPTH]  1.84 55.6 0 top
KiKit_MB_13_5  -  [NPTH]  2.45 55.6 0 top
KiKit_MB_13_6  -  [NPTH]  3.06 55.6 0 top
KiKit_MB_13_7  -  [NPTH]  3.67 55.6 0 top
KiKit_MB_13_8  -  [NPTH]  4.29 55.6 0 top
KiKit_MB_13_9  -  [NPTH]  4.9 55.6 0 top
KiKit_MB_13_10  -  [NPTH]  5.51 55.6 0 top
KiKit_MB_13_11  -  [NPTH]  6.12 55.6 0 top
KiKit_MB_13_12  -  [NPTH]  6.74 55.6 0 top
KiKit_MB_13_13  -  [NPTH]  7.35 55.6 0 top
KiKit_MB_13_14  -  [NPTH]  7.96 55.6 0 top
KiKit_MB_13_15  -  [NPTH]  8.58 55.6 0 top
KiKit_MB_13_16  -  [NPTH]  9.19 55.6 0 top
KiKit_MB_13_17  -  [NPTH]  9.8 55.6 0 top
KiKit_MB_13_18  -  [NPTH]  10.41 55.6 0 top
KiKit_MB_13_19  -  [NPTH]  11.03 55.6 0 top
KiKit_MB_13_20  -  [NPTH]  11.64 55.6 0 top
KiKit_MB_13_21  -  [NPTH]  12.25 55.6 0 top
KiKit_MB_13_22  -  [NPTH]  12.86 55.6 0 top
KiKit_MB_13_23  -  [NPTH]  13.47 55.6 0 top
KiKit_MB_13_24  -  [NPTH]  14.09 55.6 0 top
KiKit_MB_13_25  -  [NPTH]  14.7 55.6 0 top
KiKit_MB_13_26  -  [NPTH]  15.31 55.6 0 top
KiKit_MB_13_27  -  [NPTH]  15.93 55.6 0 top
KiKit_MB_13_28  -  [NPTH]  16.54 55.6 0 top
KiKit_MB_13_29  -  [NPTH]  17.15 55.6 0 top
KiKit_MB_13_30  -  [NPTH]  17.76 55.6 0 top
KiKit_MB_13_31  -  [NPTH]  18.38 55.6 0 top
KiKit_MB_13_32  -  [NPTH]  18.99 55.6 0 top
KiKit_MB_13_33  -  [NPTH]  19.6 55.6 0 top
KiKit_MB_13_34  -  [NPTH]  20.21 55.6 0 top
KiKit_MB_13_35  -  [NPTH]  20.82 55.6 0 top
KiKit_MB_13_36  -  [NPTH]  21.44 55.6 0 top
KiKit_MB_13_37  -  [NPTH]  22.05 55.6 0 top
KiKit_MB_14_1  -  [NPTH]  0 14.4 0 top
KiKit_MB_14_2  -  [NPTH]  0.61 14.4 0 top
KiKit_MB_14_3  -  [NPTH]  1.22 14.4 0 top
KiKit_MB_14_4  -  [NPTH]  1.84 14.4 0 top
KiKit_MB_14_5  -  [NPTH]  2.45 14.4 0 top
KiKit_MB_14_6  -  [NPTH]  3.06 14.4 0 top
KiKit_MB_14_7  -  [NPTH]  3.67 14.4 0 top
KiKit_MB_14_8  -  [NPTH]  4.29 14.4 0 top
KiKit_MB_14_9  -  [NPTH]  4.9 14.4 0 top
KiKit_MB_14_10  -  [NPTH]  5.51 14.4 0 top
KiKit_MB_14_11  -  [NPTH]  6.12 14.4 0 top
KiKit_MB_14_12  -  [NPTH]  6.74 14.4 0 top
KiKit_MB_14_13  -  [NPTH]  7.35 14.4 0 top
KiKit_MB_14_14  -  [NPTH]  7.96 14.4 0 top
KiKit_MB_14_15  -  [NPTH]  8.58 14.4 0 top
KiKit_MB_14_16  -  [NPTH]  9.19 14.4 0 top
KiKit_MB_14_17  -  [NPTH]  9.8 14.4 0 top
KiKit_MB_14_18  -  [NPTH]  10.41 14.4 0 top
KiKit_MB_14_19  -  [NPTH]  11.03 14.4 0 top
KiKit_MB_14_20  -  [NPTH]  11.64 14.4 0 top
KiKit_MB_14_21  -  [NPTH]  12.25 14.4 0 top
KiKit_MB_14_22  -  [NPTH]  12.86 14.4 0 top
KiKit_MB_14_23  -  [NPTH]  13.47 14.4 0 top
KiKit_MB_14_24  -  [NPTH]  14.09 14.4 0 top
KiKit_MB_14_25  -  [NPTH]  14.7 14.4 0 top
KiKit_MB_14_26  -  [NPTH]  15.31 14.4 0 top
KiKit_MB_14_27  -  [NPTH]  15.93 14.4 0 top
KiKit_MB_14_28  -  [NPTH]  16.54 14.4 0 top
KiKit_MB_14_29  -  [NPTH]  17.15 14.4 0 top
KiKit_MB_14_30  -  [NPTH]  17.76 14.4 0 top
KiKit_MB_14_31  -  [NPTH]  18.38 14.4 0 top
KiKit_MB_14_32  -  [NPTH]  18.99 14.4 0 top
KiKit_MB_14_33  -  [NPTH]  19.6 14.4 0 top
KiKit_MB_14_34  -  [NPTH]  20.21 14.4 0 top
KiKit_MB_14_35  -  [NPTH]  20.82 14.4 0 top
KiKit_MB_14_36  -  [NPTH]  21.44 14.4 0 top
KiKit_MB_14_37  -  [NPTH]  22.05 14.4 0 top
KiKit_MB_15_1  -  [NPTH]  47.95 55.6 0 top
KiKit_MB_15_2  -  [NPTH]  48.56 55.6 0 top
KiKit_MB_15_3  -  [NPTH]  49.18 55.6 0 top
KiKit_MB_15_4  -  [NPTH]  49.79 55.6 0 top
KiKit_MB_15_5  -  [NPTH]  50.4 55.6 0 top
KiKit_MB_15_6  -  [NPTH]  51.01 55.6 0 top
KiKit_MB_15_7  -  [NPTH]  51.62 55.6 0 top
KiKit_MB_15_8  -  [NPTH]  52.24 55.6 0 top
KiKit_MB_15_9  -  [NPTH]  52.85 55.6 0 top
KiKit_MB_15_10  -  [NPTH]  53.46 55.6 0 top
KiKit_MB_15_11  -  [NPTH]  54.07 55.6 0 top
KiKit_MB_15_12  -  [NPTH]  54.69 55.6 0 top
KiKit_MB_15_13  -  [NPTH]  55.3 55.6 0 top
KiKit_MB_15_14  -  [NPTH]  55.91 55.6 0 top
KiKit_MB_15_15  -  [NPTH]  56.53 55.6 0 top
KiKit_MB_15_16  -  [NPTH]  57.14 55.6 0 top
KiKit_MB_15_17  -  [NPTH]  57.75 55.6 0 top
KiKit_MB_15_18  -  [NPTH]  58.36 55.6 0 top
KiKit_MB_15_19  -  [NPTH]  58.97 55.6 0 top
KiKit_MB_15_20  -  [NPTH]  59.59 55.6 0 top
KiKit_MB_15_21  -  [NPTH]  60.2 55.6 0 top
KiKit_MB_15_22  -  [NPTH]  60.81 55.6 0 top
KiKit_MB_15_23  -  [NPTH]  61.43 55.6 0 top
KiKit_MB_15_24  -  [NPTH]  62.04 55.6 0 top
KiKit_MB_15_25  -  [NPTH]  62.65 55.6 0 top
KiKit_MB_15_26  -  [NPTH]  63.26 55.6 0 top
KiKit_MB_15_27  -  [NPTH]  63.88 55.6 0 top
KiKit_MB_15_28  -  [NPTH]  64.49 55.6 0 top
KiKit_MB_15_29  -  [NPTH]  65.1 55.6 0 top
KiKit_MB_15_30  -  [NPTH]  65.71 55.6 0 top
KiKit_MB_15_31  -  [NPTH]  66.32 55.6 0 top
KiKit_MB_15_32  -  [NPTH]  66.94 55.6 0 top
KiKit_MB_15_33  -  [NPTH]  67.55 55.6 0 top
KiKit_MB_15_34  -  [NPTH]  68.16 55.6 0 top
KiKit_MB_15_35  -  [NPTH]  68.78 55.6 0 top
KiKit_MB_15_36  -  [NPTH]  69.39 55.6 0 top
KiKit_MB_15_37  -  [NPTH]  70 55.6 0 top
KiKit_MB_16_1  -  [NPTH]  47.95 14.4 0 top
KiKit_MB_16_2  -  [NPTH]  48.56 14.4 0 top
KiKit_MB_16_3  -  [NPTH]  49.18 14.4 0 top
KiKit_MB_16_4  -  [NPTH]  49.79 14.4 0 top
KiKit_MB_16_5  -  [NPTH]  50.4 14.4 0 top
KiKit_MB_16_6  -  [NPTH]  51.01 14.4 0 top
KiKit_MB_16_7  -  [NPTH]  51.62 14.4 0 top
KiKit_MB_16_8  -  [NPTH]  52.24 14.4 0 top
KiKit_MB_16_9  -  [NPTH]  52.85 14.4 0 top
KiKit_MB_16_10  -  [NPTH]  53.46 14.4 0 top
KiKit_MB_16_11  -  [NPTH]  54.07 14.4 0 top
KiKit_MB_16_12  -  [NPTH]  54.69 14.4 0 top
KiKit_MB_16_13  -  [NPTH]  55.3 14.4 0 top
KiKit_MB_16_14  -  [NPTH]  55.91 14.4 0 top
KiKit_MB_16_15  -  [NPTH]  56.53 14.4 0 top
KiKit_MB_16_16  -  [NPTH]  57.14 14.4 0 top
KiKit_MB_16_17  -  [NPTH]  57.75 14.4 0 top
KiKit_MB_16_18  -  [NPTH]  58.36 14.4 0 top
KiKit_MB_16_19  -  [NPTH]  58.97 14.4 0 top
KiKit_MB_16_20  -  [NPTH]  59.59 14.4 0 top
KiKit_MB_16_21  -  [NPTH]  60.2 14.4 0 top
KiKit_MB_16_22  -  [NPTH]  60.81 14.4 0 top
KiKit_MB_16_23  -  [NPTH]  61.43 14.4 0 top
KiKit_MB_16_24  -  [NPTH]  62.04 14.4 0 top
KiKit_MB_16_25  -  [NPTH]  62.65 14.4 0 top
KiKit_MB_16_26  -  [NPTH]  63.26 14.4 0 top
KiKit_MB_16_27  -  [NPTH]  63.88 14.4 0 top
KiKit_MB_16_28  -  [NPTH]  64.49 14.4 0 top
KiKit_MB_16_29  -  [NPTH]  65.1 14.4 0 top
KiKit_MB_16_30  -  [NPTH]  65.71 14.4 0 top
KiKit_MB_16_31  -  [NPTH]  66.32 14.4 0 top
KiKit_MB_16_32  -  [NPTH]  66.94 14.4 0 top
KiKit_MB_16_33  -  [NPTH]  67.55 14.4 0 top
KiKit_MB_16_34  -  [NPTH]  68.16 14.4 0 top
KiKit_MB_16_35  -  [NPTH]  68.78 14.4 0 top
KiKit_MB_16_36  -  [NPTH]  69.39 14.4 0 top
KiKit_MB_16_37  -  [NPTH]  70 14.4 0 top
KiKit_TO_1  -  [NPTH#2]  2 68 0 top
KiKit_TO_2  -  [NPTH#2]  68 68 0 top
KiKit_TO_3  -  [NPTH#2]  2 2 0 top
L1  4.7uH  [IND-SMD_L2.5-W2.0-VLS252012CX-150M]  43.27 41.09 180 top
L1#2  4.7uH  [IND-SMD_L2.5-W2.0-VLS252012CX-150M]  43.27 30.29 180 top
L1#3  4.7uH  [IND-SMD_L2.5-W2.0-VLS252012CX-150M]  43.27 51.89 180 top
L1#4  4.7uH  [IND-SMD_L2.5-W2.0-VLS252012CX-150M]  43.27 19.49 180 top
L2  3.3uH  [L_pol_2016]  31.06 32.29 90 top
L2#2  3.3uH  [L_pol_2016]  31.06 21.49 90 top
L2#3  3.3uH  [L_pol_2016]  31.06 43.09 90 top
L2#4  3.3uH  [L_pol_2016]  31.06 53.89 90 top
Q1  AP1606  [Diodes_DFN1006-3]  28.96 17.16 0 bottom
Q1#2  AP1606  [Diodes_DFN1006-3]  28.96 38.76 0 bottom
Q1#3  AP1606  [Diodes_DFN1006-3]  28.96 27.96 0 bottom
Q1#4  AP1606  [Diodes_DFN1006-3]  28.96 49.56 0 bottom
Q2  AP1606  [Diodes_DFN1006-3]  39.7 32.99 0 bottom
Q2#2  AP1606  [Diodes_DFN1006-3]  39.7 22.19 0 bottom
Q2#3  AP1606  [Diodes_DFN1006-3]  39.7 43.79 0 bottom
Q2#4  AP1606  [Diodes_DFN1006-3]  39.7 54.59 0 bottom
Q3  NST847BPDP6T5G  [SOT-963]  29.05 52.83 180 bottom
Q3#2  NST847BPDP6T5G  [SOT-963]  29.05 42.03 180 bottom
Q3#3  NST847BPDP6T5G  [SOT-963]  29.05 31.23 180 bottom
Q3#4  NST847BPDP6T5G  [SOT-963]  29.05 20.43 180 bottom
Q4  NST847BPDP6T5G  [SOT-963]  29.05 22.11 180 bottom
Q4#2  NST847BPDP6T5G  [SOT-963]  29.05 32.91 180 bottom
Q4#3  NST847BPDP6T5G  [SOT-963]  29.05 43.71 180 bottom
Q4#4  NST847BPDP6T5G  [SOT-963]  29.05 54.51 180 bottom
Q5  DMN2991UDA-7B  [X2-DFN0806-6_L0.8-W0.6_X2-DFN0806-6]  29.14 15.87 270 bottom
Q5#2  DMN2991UDA-7B  [X2-DFN0806-6_L0.8-W0.6_X2-DFN0806-6]  29.14 37.47 270 bottom
Q5#3  DMN2991UDA-7B  [X2-DFN0806-6_L0.8-W0.6_X2-DFN0806-6]  29.14 26.67 270 bottom
Q5#4  DMN2991UDA-7B  [X2-DFN0806-6_L0.8-W0.6_X2-DFN0806-6]  29.14 48.27 270 bottom
Q6  DMN2991UDA-7B  [X2-DFN0806-6_L0.8-W0.6_X2-DFN0806-6]  30.44 26.67 270 bottom
Q6#2  DMN2991UDA-7B  [X2-DFN0806-6_L0.8-W0.6_X2-DFN0806-6]  30.44 15.87 270 bottom